# Altium PCB 400150.PcbDoc (part 1 of 3) (continued)
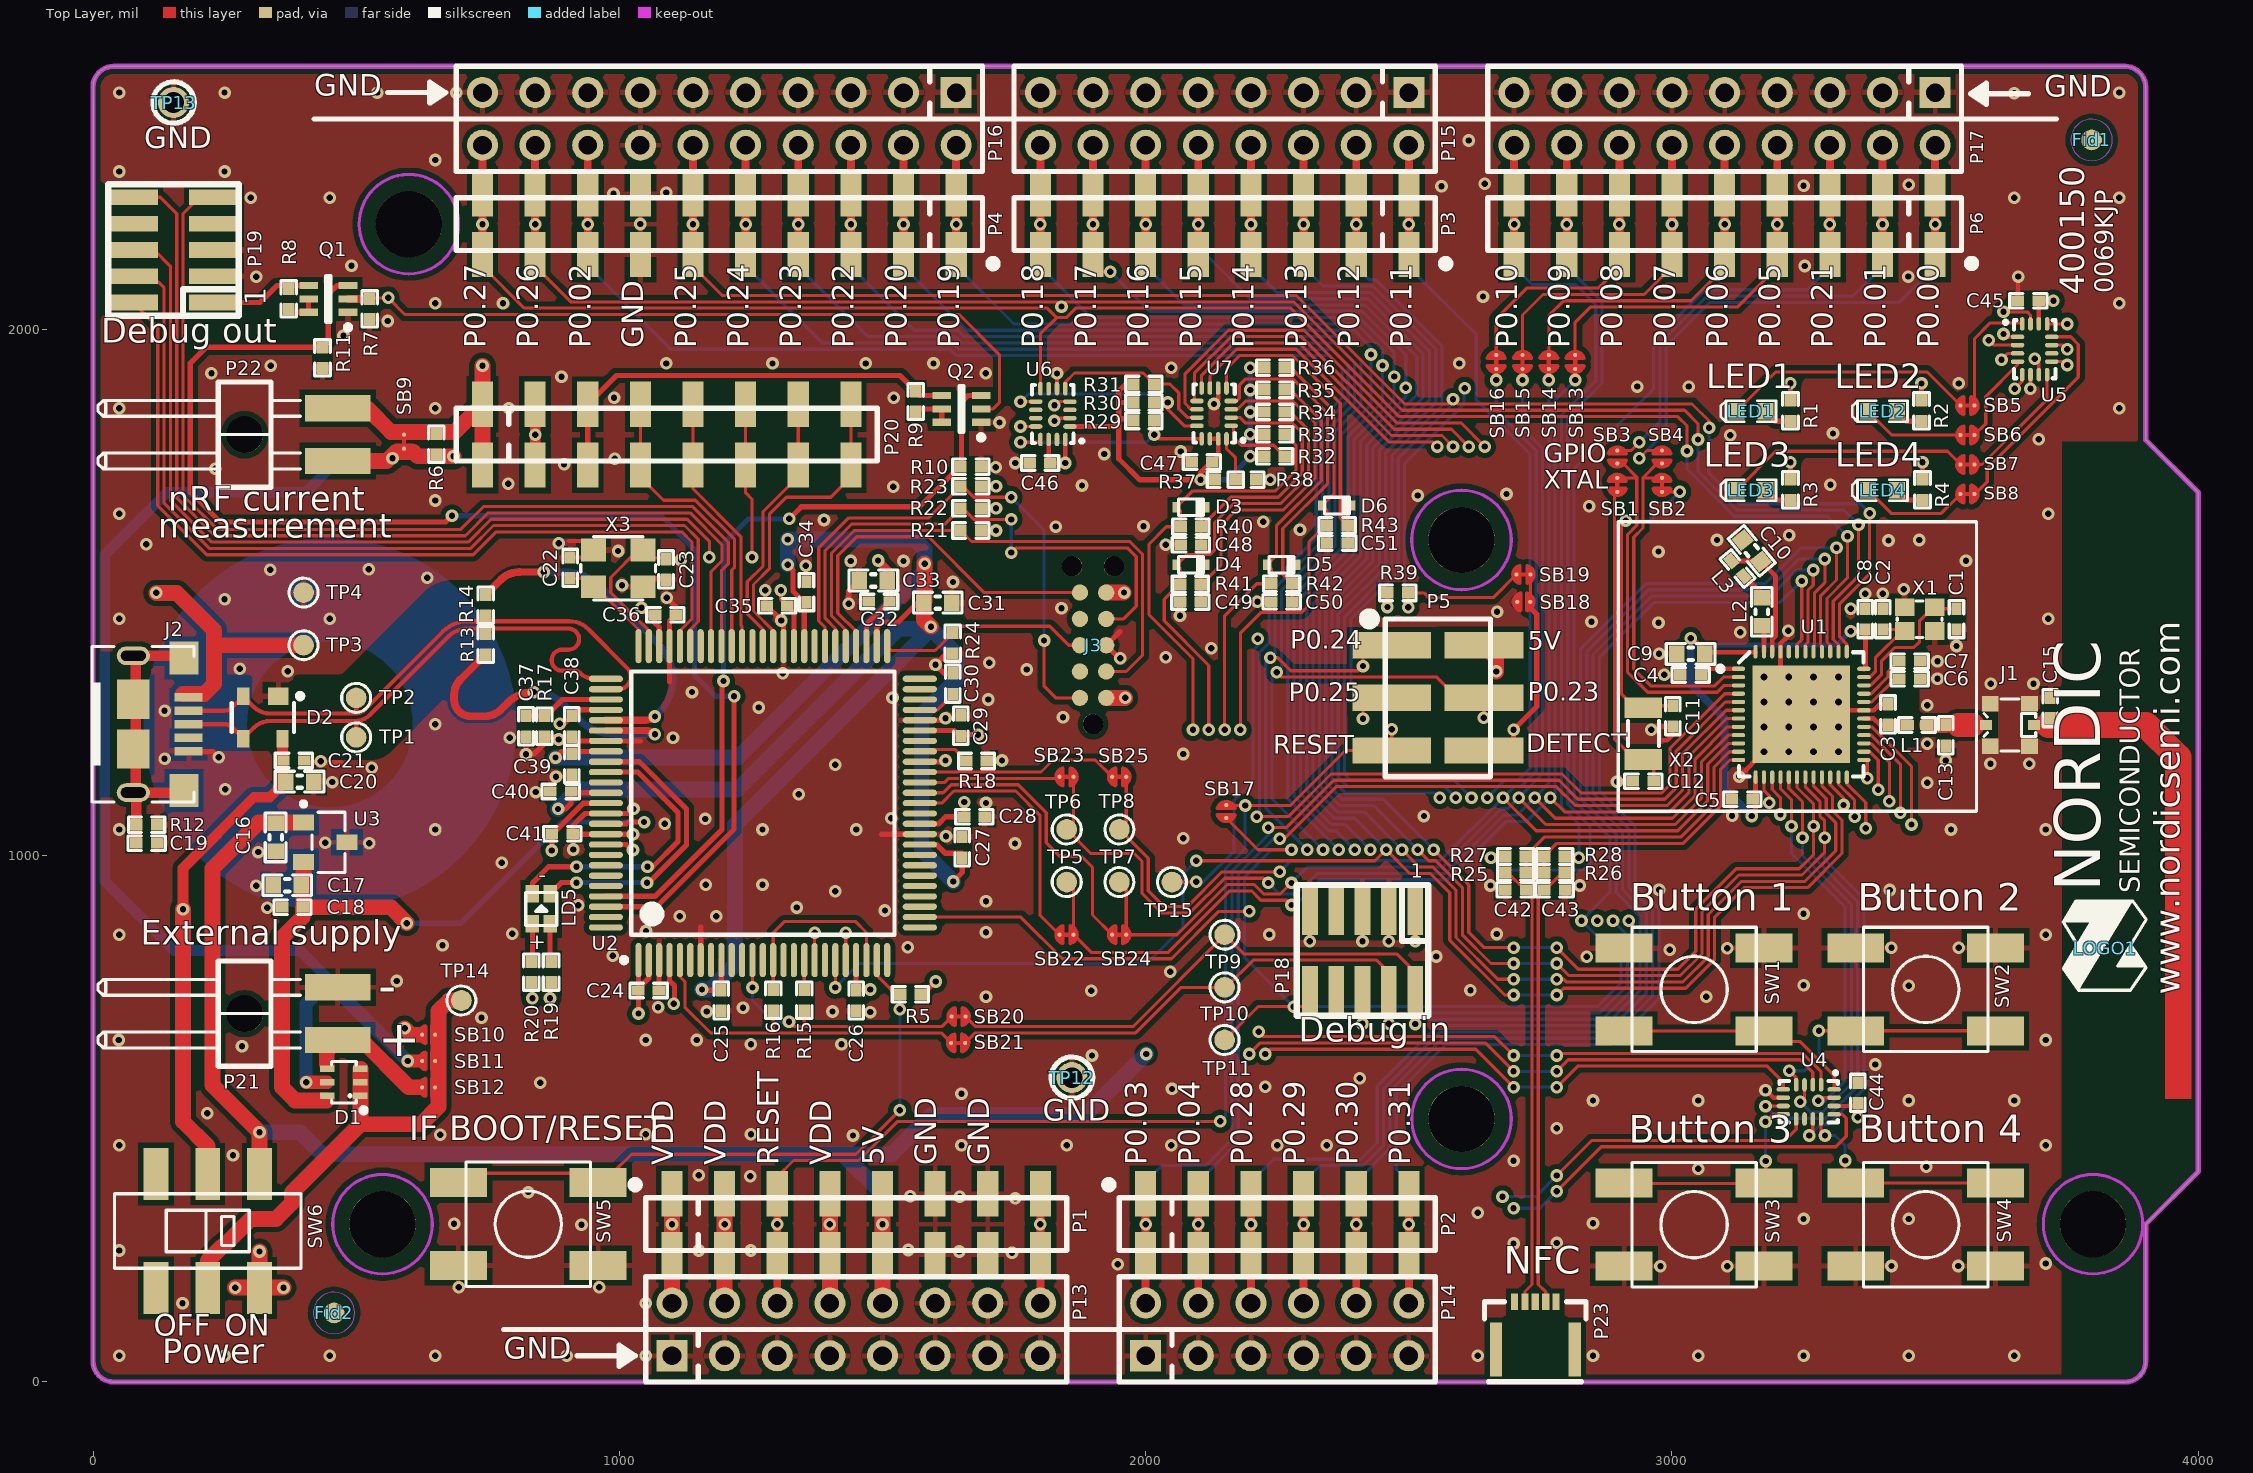
[diagram p0: Top Layer view]
## Components (designator, comment, footprint, x,y, rotation, side; value= is the part's Value field where it differs from the comment)
Bat1 "Bat Holder CR2032" CR2032_HOLDER_SMD 450,1249 r270 bottom
C1 "12pF" CAPC1005X04L 3540.46,1449.17 r270 top (schematic designator C7)
C2 "12pF" CAPC1005X04L 3400.47,1449.16 r90 top
C3 "0.8pF" CAPC1005X04L 3410.47,1268.16 r270 top (schematic designator C20)
C4 "100nF" CAPC1005X04L 3035.47,1343.16 r180 top (schematic designator C5)
C5 "100nF" CAPC1005X04L 3133.47,1107.16 r180 top (schematic designator C6)
C6 "N.C." CAPC1005X04L 3451.47,1336.16 r0 top (schematic designator C8)
C7 "100pF" CAPC1005X04L 3451.47,1369.16 r0 top (schematic designator C11)
C8 "100nF" CAPC1005X04L 3367.47,1449.16 r90 top (schematic designator C12)
C9 "4.7µF" CAPC1608X06L 3035.47,1383.16 r180 top
C10 "1.0µF" CAPC1608X06L 3151.5,1579.16 r310 top (schematic designator C7)
C11 "12pF" CAPC1005X04L 3001.61,1264.85 r90 top
C12 "12pF" CAPC1005X04L 2945.61,1140.85 r0 top
C13 "N.C." CAPC1005X04L 3520,1228.6 r270 top
C15 "1.2pF" CAPC1005X04L 3718.88,1280.16 r90 top
C16 "1.0µF" CAPC1608X06L 347,1034.6 r90 top
C17 "1.0µF" CAPC1608X06L 369,943.6 r0 top
C18 "100nF" CAPC1005X04L 379,901.6 r0 top
C19 "100nF" CAPC1005X04L 101.85,1023.6 r180 top
C20 "10µF" CAPC1608X06L 392.61,1140.6 r180 top
C21 "100nF" CAPC1005X04L 381.61,1180.6 r180 top
C22 "18pF" CAPC1005X04L 906.61,1546.6 r90 top
C23 "18pF" CAPC1005X04L 1088.61,1543.6 r270 top
C24 "100nF" CAPC1005X04L 1055.61,743.6 r180 top
C25 "100nF" CAPC1005X04L 1193.61,724.6 r90 top
C26 "100nF" CAPC1005X04L 1450,724.6 r90 top
C27 "100nF" CAPC1005X04L 1651.61,1015.6 r270 top
C28 "100nF" CAPC1005X04L 1674.61,1073.6 r180 top
C29 "100nF" CAPC1005X04L 1648.61,1246.6 r270 top
C30 "10nF" CAPC1005X04L 1633.61,1326.6 r270 top
C31 "10µF" CAPC1608X06L 1605,1480.6 r180 top
C32 "100nF" CAPC1005X04L 1493.61,1482.6 r0 top
C33 "10µF" CAPC1608X06L 1482.61,1522.6 r0 top
C34 "100nF" CAPC1005X04L 1355.61,1500.6 r270 top
C35 "100nF" CAPC1005X04L 1299.61,1474.6 r0 top
C36 "100nF" CAPC1005X04L 1087.61,1457.6 r0 top
C37 "10pF" CAPC1005X04L 822.61,1245.6 r90 top
C38 "100nF" CAPC1005X04L 909.61,1245.6 r90 top
C39 "100nF" CAPC1005X04L 909.61,1173.6 r90 top
C40 "100nF" CAPC1005X04L 888.61,1121.6 r0 top
C41 "100nF" CAPC1005X04L 891.61,1041.6 r180 top
C42 "300pF" CAPC1005X04L 2703,935 r180 top
C43 "300pF" CAPC1005X04L 2777,935 r180 top
C44 "100nF" CAPC1005X04L 3352.67,549 r270 top
C45 "100nF" CAPC1005X04L 3677,2054 r0 top
C46 "100nF" CAPC1005X04L 1799.31,1745.78 r0 top
C47 "100nF" CAPC1005X04L 2106.99,1747.78 r0 top
C48 "1.0µF" CAPC1005X04L 2085.99,1590.78 r180 top
C49 "1.0µF" CAPC1005X04L 2085.08,1481.78 r0 top
C50 "1.0µF" CAPC1005X04L 2258.31,1482.47 r0 top
C51 "1.0µF" CAPC1005X04L 2364.08,1593.7 r180 top
D1 "SD103ATW-7-F" SOT-363 508,543.6 r90 top
D2 "PRTR5V0U2X" SOT190P230X110-4L 322.61,1262.6 r270 top
D3 "1PS79SB30.115" SOD-523 2086.22,1661.78 r180 top
D4 "1PS79SB30.115" SOD-523 2086.31,1552.78 r180 top
D5 "1PS79SB30.115" SOD-523 2258.31,1552.78 r180 top
D6 "1PS79SB30.115" SOD-523 2363.31,1665 r180 top
Fid1 "Fiducial mark" Fiducial 3797.28,2359.6 r180 top
Fid2 "Fiducial mark" Fiducial 458,131 r0 top
J1 "MM8130-2600" COAXIAL-SWF 3641.88,1248.16 r90 top
J2 "MicroUSB-B" FCI_10118193-0001LF 181.85,1249.6 r0 top
J3 "TC2050-IDC" TC2050-IDC-NLFP 1900,1399.6 r90 top
L1 "3.9nH" INDC1005X04L 3465.47,1248.16 r0 top (schematic designator L2)
L2 "10µH" INDC1608X06L 3170.47,1463.16 r270 top (schematic designator L4)
L3 "15nH" INDC1005X04L 3124.5,1545.16 r310 top (schematic designator L5)
LD5 "LTST-C195KGJRKT" LED_DUAL_0606 851.61,898.6 r180 top (schematic designator LD3)
LED1 "L0603G" LED_0603_G 3150,1844 r0 top
LED2 "L0603G" LED_0603_G 3400,1844 r0 top
LED3 "L0603G" LED_0603_G 3150,1694 r0 top
LED4 "L0603G" LED_0603_G 3400,1694 r0 top
LOGO1 "Nordic Logo M" NORDIC_LOGO_M 3822.92,823.93 r90 top
P1 "Socket 1x8" SOCKET_1x8_SMD 1100,299.6 r0 top locked (schematic designator P11)
P2 "Socket 1x6" SOCKET_1x6_SMD 2000,299.6 r0 top locked (schematic designator P12)
P3 "Socket 1x8" SOCKET_1x8_SMD 2500,2199.6 r180 top locked (schematic designator P8)
P4 "Socket 1x10" SOCKET_1x10_SMD 1640,2199.6 r180 top locked (schematic designator P9)
P5 "Pin Hdr 2x3" "Molex 15-91-2060" 2555,1299.6 r270 top locked (schematic designator P6)
P6 "Socket 1x9" SOCKET_1x9_SMD 3500,2199.6 r180 top locked
P7 "Pin List 1x8" LIST_1x8_SMD 1100,299.6 r0 bottom locked (schematic designator POWER)
P8 "Pin List 1x6" LIST_1x6_SMD 2000,299.6 r0 bottom locked (schematic designator AD)
P9 "Pin List 1x8" LIST_1x8_SMD 2500,2199.6 r180 bottom locked (schematic designator IOL)
P10 "Pin List 1x10" LIST_1x10_SMD 1640,2199.6 r180 bottom locked (schematic designator IOH)
P11 "Socket 2x3" SOCKET_2x3_SMD-2.54mm-bottom 2555,1299.6 r270 top locked (schematic designator ICSP)
P12 "Pin List 1x9" LIST_1x9_SMD 3500,2199.6 r180 bottom locked
P13 "Pin Header 2x8" HDR_2x8 1450,99.6 r0 top locked
P14 "Pin Header 2x6" HDR_2x6 2250,99.6 r0 top locked
P15 "Pin Header 2x8" HDR_2x8 2150,2399.6 r180 top locked
P16 "Pin Header 2x10" HDR_2x10 1190,2399.6 r180 top locked
P17 "Pin Header 2x9" HDR_2x9 3100,2399.6 r180 top
P18 "FTSH-105" FTSH-105-K 2412,819.78 r180 top
P19 "FTSH-105" FTSH-105-K 153,2150.6 r90 top locked
P20 "Pin List 1x8" LIST_1x8_SMD 740,1799.6 r0 top
P21 "Pin List 1x2, Angled" LIST_ANG_1x2-SMD-2.54MM 465,699.6 r270 top
P22 "Pin List 1x2, Angled" LIST_ANG_1x2-SMD-2.54MM 465,1799.6 r270 top
P23 "Molex 051281-0594" "Molex 051281-0594" 2701,152 r0 top
Q1 "FDG6321C" SOT65P210X100-6N 447,2057.6 r180 top
Q2 "FDG6321C" SOT65P210X100-6N 1650,1848.6 r180 top
R1 "220R" RESC1005X04L 3225.01,1845 r90 top
R2 "220R" RESC1005X04L 3474.01,1845 r90 top
R3 "220R" RESC1005X04L 3225.01,1695 r90 top
R4 "220R" RESC1005X04L 3476.01,1695 r90 top
R5 "10k" RESC1005X04L 1553,736.6 r0 top
R6 "N.C." RESC1005X04L 652,1781.6 r90 top
R7 "47k" RESC1005X04L 526,2038.6 r270 top
R8 "10k" RESC1005X04L 372,2057.6 r270 top
R9 "10k" RESC1005X04L 1563,1862.6 r270 top
R10 "10k" RESC1005X04L 1667.85,1738.6 r180 top
R11 "10k" RESC1005X04L 436,1945.6 r90 top
R12 "10k" RESC1005X04L 101.85,1058.6 r180 top
R13 "39R" RESC1005X04L 746.02,1401.3 r90 top
R14 "39R" RESC1005X04L 746.02,1475.54 r270 top
R15 "150R" RESC1005X04L 1351.35,725 r270 top
R16 "150R" RESC1005X04L 1292.35,725 r270 top
R17 "6k8" RESC1005X04L 857.61,1245.6 r90 top
R18 "1k" RESC1005X04L 1678.61,1179.6 r180 top
R19 "220R" RESC1005X04L 870.34,778.6 r270 top
R20 "220R" RESC1005X04L 832.88,778.6 r270 top
R21 "4k7" RESC1005X04L 1667.85,1617.6 r0 top
R22 "4k7" RESC1005X04L 1667.85,1659.6 r0 top
R23 "4k7" RESC1005X04L 1667.85,1701.6 r0 top
R24 "4k7" RESC1005X04L 1633.61,1403.6 r270 top
R25 "0R" RESC1005X04L 2702.85,968.6 r0 top
R26 "0R" RESC1005X04L 2776.85,968.6 r180 top
R27 "N.C." RESC1005X04L 2702.85,998.6 r0 top
R28 "N.C." RESC1005X04L 2776.85,998.6 r180 top
R29 "4k7" RESC1005X04L 1996.62,1825.78 r180 top
R30 "4k7" RESC1005X04L 1996.62,1860.78 r180 top
R31 "12k" RESC1005X04L 1996.62,1895.78 r180 top
R32 "12k" RESC1005X04L 2244.94,1758.63 r180 top
R33 "100k" RESC1005X04L 2244.94,1800.63 r180 top
R34 "100k" RESC1005X04L 2244.94,1842.63 r180 top
R35 "100k" RESC1005X04L 2244.94,1884.63 r180 top
R36 "100k" RESC1005X04L 2244.94,1926.63 r180 top
R37 "N.C." RESC1005X04L 2151.31,1713.78 r180 top
R38 "0R" RESC1005X04L 2190.68,1713.78 r180 top
R39 "1M0" RESC1005X04L 2479,1499 r180 top
R40 "18k" RESC1005X04L 2085.99,1624.78 r180 top
R41 "18k" RESC1005X04L 2085.08,1515.78 r180 top
R42 "18k" RESC1005X04L 2258.31,1516.47 r180 top
R43 "18k" RESC1005X04L 2364.08,1627.7 r180 top
SB1 "Solderbridge" Solderbridge_Shorted 2896,1691 r90 top net-tie
SB2 "Solderbridge" Solderbridge_Shorted 2981,1691 r90 top net-tie
SB3 "Solderbridge" Solderbridge#1 2896,1745 r90 top
SB4 "Solderbridge" Solderbridge#1 2981,1745 r90 top
SB5 "Solderbridge" Solderbridge_Shorted 3574.5,1855 r180 top net-tie (schematic designator SB6)
SB6 "Solderbridge" Solderbridge_Shorted 3574.5,1799 r180 top net-tie
SB7 "Solderbridge" Solderbridge_Shorted 3574.5,1743 r180 top net-tie
SB8 "Solderbridge" Solderbridge_Shorted 3574.5,1687 r180 top net-tie
SB9 "Solderbridge" Solderbridge_Shorted 591,1799.6 r270 top net-tie
SB10 "Solderbridge" Solderbridge#1 650,659.6 r180 top
SB11 "Solderbridge" Solderbridge#1 650,609.6 r180 top
SB12 "Solderbridge" Solderbridge#1 650,559.6 r180 top
SB13 "Solderbridge" Solderbridge_Shorted 2816,1951 r270 top net-tie
SB14 "Solderbridge" Solderbridge_Shorted 2766,1951 r270 top net-tie
SB15 "Solderbridge" Solderbridge_Shorted 2716,1951 r270 top net-tie
SB16 "Solderbridge" Solderbridge_Shorted 2666,1951 r270 top net-tie
SB17 "Solderbridge" Solderbridge#2 2153,1096 r270 top
SB18 "Solderbridge" Solderbridge#2 2706,1482 r0 top
SB19 "Solderbridge" Solderbridge_Shorted 2731,1534 r180 top net-tie
SB20 "Solderbridge" Solderbridge_Shorted 1658.02,694 r180 top net-tie
SB21 "Solderbridge" Solderbridge_Shorted 1657.02,644 r180 top net-tie
SB22 "Solderbridge" Solderbridge_Shorted 1863,849.6 r180 top net-tie
SB23 "Solderbridge" Solderbridge_Shorted 1863,1149.6 r180 top net-tie
SB24 "Solderbridge" Solderbridge_Shorted 1963,849.6 r180 top net-tie
SB25 "Solderbridge" Solderbridge_Shorted 1963,1149.6 r180 top net-tie
SW1 "PB SW" ALPS_SKHUxxx010_WO_GND 3042,745.66 r180 top
SW2 "PB SW" ALPS_SKHUxxx010_WO_GND 3482,745.66 r180 top
SW3 "PB SW" ALPS_SKHUxxx010_WO_GND 3042,298.66 r0 top
SW4 "PB SW" ALPS_SKHUxxx010_WO_GND 3482,298.66 r0 top
SW5 "PB SW" ALPS_SKHUxxx010_WO_GND 827,299.6 r0 top
SW6 "Switch" JS202011SCQN 218,286.6 r0 top
TP1 "Ø1.0mm,SMD" TP_SMD_Ø1.0mm 500,1224.6 r0 top
TP2 "Ø1.0mm,SMD" TP_SMD_Ø1.0mm 500,1299.6 r0 top
TP3 "Ø1.0mm,SMD" TP_SMD_Ø1.0mm 400,1399.6 r0 top
TP4 "Ø1.0mm,SMD" TP_SMD_Ø1.0mm 400,1499.6 r0 top
TP5 "Ø1.0mm,SMD" TP_SMD_Ø1.0mm 1850,949.6 r0 top
TP6 "Ø1.0mm,SMD" TP_SMD_Ø1.0mm 1850,1049.6 r0 top
TP7 "Ø1.0mm,SMD" TP_SMD_Ø1.0mm 1950,949.6 r0 top
TP8 "Ø1.0mm,SMD" TP_SMD_Ø1.0mm 1950,1049.6 r0 top
TP9 "Ø1.0mm,SMD" TP_SMD_Ø1.0mm 2150,849.6 r0 top
TP10 "Ø1.0mm,SMD" TP_SMD_Ø1.0mm 2150,749.6 r0 top
TP11 "Ø1.0mm,SMD" TP_SMD_Ø1.0mm 2150,649.6 r90 top
TP12 "TP" TESTPAD-TH 1860,578 r0 top
TP13 "TP" TESTPAD-TH 153,2430.6 r0 top
TP14 "Ø1.0mm,SMD" TP_SMD_Ø1.0mm 700,724.6 r270 top
TP15 "Ø1.0mm,SMD" TP_SMD_Ø1.0mm 2050,949.6 r90 top
U1 "nRF52832-QFAA" QFN40P600X600X90-48N 3245.47,1268.16 r0 top
U2 "ATSAM3U2CA-AU" TSQFP50P1600X1600X160-100N 1272.61,1099.6 r90 top locked
U3 "AP7333-33SAG-7" SOT-23A 400,1062.6 r270 top
U4 "NX3DV2567" XQFN40P180X260X50-16N 3259.67,532 r270 top
U5 "NX3DV2567" XQFN40P180X260X50-16N 3689,1962 r0 top
U6 "NX3DV2567" XQFN40P180X260X50-16N 1823.62,1838.78 r180 top
U7 "PCAL6408A" XQFN40P180X260X50-16N 2129.94,1840 r180 top
X1 "32MHz" BT-XTAL_2016 3470.46,1449.17 r180 top
X2 "32.768kHz" XTAL_3215 2945.61,1231.85 r270 top
X3 "12MHz" BT-XTAL_3225 997.61,1545.6 r180 top

## Footprints (in the part's own frame and the unit in brackets; to place one, negate y for a bottom-side part, rotate by r counter-clockwise, add the part's x,y. Pads: shape width x height; smd on the part's side, far side on the other; paste and mask are expansions set on the pad)
ALPS_SKHUxxx010_WO_GND [mm] "6.2×6.5mm TACT Switch, without ground connector"
  rect 2.75x1.4 smd: 1(-3.375,2) 1(3.375,2) 2(-3.375,-2) 2(3.375,-2)
  silkscreen extent -3,-3 3,3, body extent -4,-3 4,3.3, height 3.1
BT-XTAL_2016 [mm] "Crystal 2.0 x 1.6 mm"
  rect 0.95x0.85 smd: 1(-0.725,-0.575) 2(0.725,-0.575) 3(0.725,0.575) 4(-0.725,0.575)
  silkscreen extent -1.08,-0.88 1.08,0.88, body extent -1.05,-0.85 1.05,0.85, height 0.56
BT-XTAL_3225 [mm] "Mercury X32 series"
  rect 1.2x1.1 smd: 1(-1.194,-0.89) 2(1.194,-0.89) 3(1.194,0.891) 4(-1.194,0.891)
  silkscreen extent -1.8,-1.52 1.8,1.52, body extent -1.6,-1.25 1.61,1.25, height 0.81
CAPC1005X04L [mm] "Chip Capacitor, 2-Leads, Body 1.0x0.5mm, IPC High Density"
  rect 0.6x0.5 smd: 1(-0.5,0) 2(0.5,0)
  silkscreen extent -0.9,-0.35 0.9,0.35, body extent -0.51,-0.25 0.51,0.25, height 0.5
CAPC1608X06L [mm] "Chip Capacitor, 2-Leads, Body 1.6x0.8mm, IPC High Density"
  rect 0.75x0.8 smd: 1(-0.675,0) 2(0.675,0)
  silkscreen extent -1.17,-0.5 1.17,0.5, body extent -0.8,-0.43 0.8,0.43, height 0.8
COAXIAL-SWF [mm]
  rect 0.5x0.58 smd: 1(0,1.16) 3(0,-1.16)
  rect 0.75x0.8 smd: 2(-1.025,-0.95) 2(-1.025,0.95) 2(1.025,-0.95) 2(1.025,0.95)
  Top Layer pour cut-out: -0.65,0.55 0.65,0.55 0.65,1.35 -0.65,1.35
  Top Layer pour cut-out: 0.65,-0.55 -0.65,-0.55 -0.65,-1.35 0.65,-1.35
  silkscreen extent -1.25,-1.25 1.25,1.25
CR2032_HOLDER_SMD [mm] "CR2032 - SMD mount coin cell bat holder"
  round 18 on Bottom Solder paste+0: 0(0,0)
  rect 5.08x5.08 smd: 1(-13.081,0) 1(13.081,0)
  rrect50% 10x10 smd paste-9: 2(0,0)
  Top Layer circle w5: c0,0 r6.5
  silkscreen extent -10.54,-9.53 10.54,11.43, body extent -15.37,-10.27 15.37,9.78, height 3.96
FCI_10118193-0001LF [mm] "Micro USB B SMT"
  rect 1.35x0.4 smd: 1(0,1.3) 2(0,0.65) 3(0,0) 4(0,-0.65) 5(0,-1.3)
  oval 1.6x0.9 hole 0.5 slot 1.2 at 0 deg: 6(-2.675,-3.3) 6(-2.675,3.3)
  oval 2x1.5 on Top Paste: 6(-2.675,-3.3) 6(-2.675,3.3)
  rect 1.55x1.9 smd: 6(-2.675,-1.2) 6(-2.675,1.2)
  rect 1.4x1.6 smd: 6(-0.225,-3.2) 6(-0.225,3.2)
  silkscreen extent -4.75,-3.75 0.25,3.75, body extent -5.28,-4.1 0.15,4.1, height 2.72
Fiducial [mm] "Fiducial Mark"
  round 1 smd paste-10 mask+0.5: 0(0,0)
  round 1 smd far side paste-10 mask+0.5: 0(0,0)
  Keep-Out Layer circle w0.01: c0,0 r1
FTSH-105-K [mm] "SMT MICRO HEADER, (1,27) .050\" Keying Shroud"
  rect 0.76x2.4 smd: 1(-2.54,-1.95) 2(-2.54,1.95) 3(-1.27,-1.95) 4(-1.27,1.95) 5(0,-1.95) 6(0,1.95) 7(1.27,-1.95) 8(1.27,1.95) 9(2.54,-1.95) 10(2.54,1.95)
  silkscreen extent -3.18,-3.15 3.18,3.15, body extent -3.14,-2.92 3.14,2.92, height 5.71
HDR_2x6 [mm] "Pin Header, 2.54mm through hole"
  rect 1.5x1.5 hole 0.9: 1(-6.35,-1.27)
  round 1.5 hole 0.9: 2(-6.35,1.27) 3(-3.81,-1.27) 4(-3.81,1.27) 5(-1.27,-1.27) 6(-1.27,1.27) 7(1.27,-1.27) 8(1.27,1.27) 9(3.81,-1.27) 10(3.81,1.27) 11(6.35,-1.27) 12(6.35,1.27)
  silkscreen extent -7.62,-2.54 7.62,2.54
HDR_2x8 [mm] "Pin Header, 2.54mm through hole"
  rect 1.5x1.5 hole 0.9: 1(-8.89,-1.27)
  round 1.5 hole 0.9: 2(-8.89,1.27) 3(-6.35,-1.27) 4(-6.35,1.27) 5(-3.81,-1.27) 6(-3.81,1.27) 7(-1.27,-1.27) 8(-1.27,1.27) 9(1.27,-1.27) 10(1.27,1.27) 11(3.81,-1.27) 12(3.81,1.27) 13(6.35,-1.27) 14(6.35,1.27) 15(8.89,-1.27) 16(8.89,1.27)
  silkscreen extent -10.16,-2.54 10.16,2.54
HDR_2x9 [mm] "Pin Header, 2.54mm through hole"
  rect 1.5x1.5 hole 0.9: 1(-10.16,-1.27)
  round 1.5 hole 0.9: 2(-10.16,1.27) 3(-7.62,-1.27) 4(-7.62,1.27) 5(-5.08,-1.27) 6(-5.08,1.27) 7(-2.54,-1.27) 8(-2.54,1.27) 9(0,-1.27) 10(0,1.27) 11(2.54,-1.27) 12(2.54,1.27) 13(5.08,-1.27) 14(5.08,1.27) 15(7.62,-1.27) 16(7.62,1.27) 17(10.16,-1.27) 18(10.16,1.27)
  silkscreen extent -11.43,-2.54 11.43,2.54
HDR_2x10 [mm] "Pin Header, 2.54mm through hole"
  rect 1.5x1.5 hole 0.9: 1(-11.43,-1.27)
  round 1.5 hole 0.9: 2(-11.43,1.27) 3(-8.89,-1.27) 4(-8.89,1.27) 5(-6.35,-1.27) 6(-6.35,1.27) 7(-3.81,-1.27) 8(-3.81,1.27) 9(-1.27,-1.27) 10(-1.27,1.27) 11(1.27,-1.27) 12(1.27,1.27) 13(3.81,-1.27) 14(3.81,1.27) 15(6.35,-1.27) 16(6.35,1.27) 17(8.89,-1.27) 18(8.89,1.27) 19(11.43,-1.27) 20(11.43,1.27)
  silkscreen extent -12.7,-2.54 12.7,2.54
INDC1005X04L [mm] "Chip Inductor, 2-Leads, Body 1.0x0.5mm, IPC High Density"
  rect 0.65x0.5 smd: 1(-0.475,0) 2(0.475,0)
  silkscreen extent -0.9,-0.35 0.9,0.35, body extent -0.5,-0.3 0.5,0.3, height 0.5
INDC1608X06L [mm] "Chip Inductor, 2-Leads, Body 1.6x0.8mm, IPC High Density"
  rect 0.75x0.8 smd: 1(-0.675,0) 2(0.675,0)
  silkscreen extent -1.17,-0.5 1.17,0.5, body extent -0.8,-0.48 0.8,0.48, height 0.8
JS202011SCQN [mm] "Slide Switches - DPDT, SMD, ON-ON"
  rect 1.2x2.5 smd: 1(-2.5,-2.75) 2(0,-2.75) 3(2.5,-2.75) 4(-2.5,2.75) 5(0,2.75) 6(2.5,2.75)
  silkscreen extent -4.5,-1.8 4.5,1.8, body extent -4.52,-3.75 4.52,3.75, height 5.5
LED_0603_G [mil] "SMD Super Bright LED, GREEN"
  rect 30x32 smd: 1(-27.5,0) 2(27.5,0)
  silkscreen extent -58,-20 48,20, body extent -32,-16 32,16, height 24
LED_DUAL_0606 [mm]
  rect 0.65x0.85 smd paste+0: 1(0.425,0.725) 2(-0.425,0.725) 3(0.425,-0.725) 4(-0.425,-0.725)
  silkscreen extent -0.75,-0.8 0.75,0.8, body extent -0.75,-0.8 0.75,0.8, height 0.55
LIST_1x6_SMD [mm] "Pin List, 2.54mm, SMD"
  rect 1.02x2.19 smd: 1(0,-1.465) 1(0,1.465) 2(2.54,-1.465) 2(2.54,1.465) 3(5.08,-1.465) 3(5.08,1.465) 4(7.62,-1.465) 4(7.62,1.465) 5(10.16,-1.465) 5(10.16,1.465) 6(12.7,-1.465) 6(12.7,1.465)
  silkscreen extent -1.27,-1.27 13.97,1.27
LIST_1x8_SMD [mm] "Pin List, 2.54mm, SMD"
  rect 1.02x2.19 smd: 1(0,-1.465) 1(0,1.465) 2(2.54,-1.465) 2(2.54,1.465) 3(5.08,-1.465) 3(5.08,1.465) 4(7.62,-1.465) 4(7.62,1.465) 5(10.16,-1.465) 5(10.16,1.465) 6(12.7,-1.465) 6(12.7,1.465) 7(15.24,-1.465) 7(15.24,1.465) 8(17.78,-1.465) 8(17.78,1.465)
  silkscreen extent -1.27,-1.27 19.05,1.27
LIST_1x9_SMD [mm] "Pin List, 2.54mm, SMD"
  rect 1.02x2.19 smd: 1(0,-1.465) 1(0,1.465) 2(2.54,-1.465) 2(2.54,1.465) 3(5.08,-1.465) 3(5.08,1.465) 4(7.62,-1.465) 4(7.62,1.465) 5(10.16,-1.465) 5(10.16,1.465) 6(12.7,-1.465) 6(12.7,1.465) 7(15.24,-1.465) 7(15.24,1.465) 8(17.78,-1.465) 8(17.78,1.465) 9(20.32,-1.465) 9(20.32,1.465)
  silkscreen extent -1.27,-1.27 21.59,1.27
LIST_1x10_SMD [mm] "Pin List, 2.54mm, SMD"
  rect 1.02x2.19 smd: 1(0,-1.465) 1(0,1.465) 2(2.54,-1.465) 2(2.54,1.465) 3(5.08,-1.465) 3(5.08,1.465) 4(7.62,-1.465) 4(7.62,1.465) 5(10.16,-1.465) 5(10.16,1.465) 6(12.7,-1.465) 6(12.7,1.465) 7(15.24,-1.465) 7(15.24,1.465) 8(17.78,-1.465) 8(17.78,1.465) 9(20.32,-1.465) 9(20.32,1.465) 10(22.86,-1.465) 10(22.86,1.465)
  silkscreen extent -1.27,-1.27 24.13,1.27
LIST_ANG_1x2-SMD-2.54MM [mm] "Pin List, 2.54mm, Surface Mount, Angled"
  round 1.78 hole 1.78: 0(0,-4.496)
  rect 1.27x3.18 smd: 1(-1.27,0) 2(1.27,0)
  silkscreen extent -2.54,-11.58 2.54,-1.8, body extent -2.56,-11.61 2.52,1.35, height 3.03
"Molex 15-91-2060" [mil] "MOLEX - 15-91-2060 - BOARD-BOARD CONN, HEADER, 6WAY, 2ROW"
  rect 50x150 smd: 1(-100,-87.5) 2(-100,87.5) 3(0,-87.5) 4(0,87.5) 5(100,-87.5) 6(100,87.5)
  silkscreen extent -160,-140 150,100, body extent -150,-148 150,148, height 382
"Molex 051281-0594" [mm] "SOT23, 5-Leads, Body 2,90x2,80mm, Pitch 0,95mm, IPC Medium Density"
  rect 0.6x2.6 smd: 0(-0.9,-2.3) 0(2.9,-2.3)
  rect 0.35x0.8 smd: 1(0,0) 2(0.5,0) 3(1,0) 4(1.5,0) 5(2,0)
  silkscreen extent -1.45,-3.85 3.45,0, body extent -1.45,-3.85 3.45,0, height 2.05
NORDIC_LOGO_M [mil] "Medium Nordic Logo"
  silkscreen extent -80,-78 90,80
QFN40P600X600X90-48N [mm] "QFN, 48-Leads, Body 6,0x6,0mm (max), Pitch 0,40mm, IPC Medium Density"
  oval 0.65x0.2 smd: 1(-3.025,2.2) 2(-3.025,1.8) 3(-3.025,1.4) 4(-3.025,1) 5(-3.025,0.6) 6(-3.025,0.2) 7(-3.025,-0.2) 8(-3.025,-0.6) 9(-3.025,-1) 10(-3.025,-1.4) 11(-3.025,-1.8) 12(-3.025,-2.2) 25(3.025,-2.2) 26(3.025,-1.8) 27(3.025,-1.4) 28(3.025,-1) 29(3.025,-0.6) 30(3.025,-0.2) 31(3.025,0.2) 32(3.025,0.6) 33(3.025,1) 34(3.025,1.4) 35(3.025,1.8) 36(3.025,2.2)
  oval 0.2x0.65 smd: 13(-2.2,-3.025) 14(-1.8,-3.025) 15(-1.4,-3.025) 16(-1,-3.025) 17(-0.6,-3.025) 18(-0.2,-3.025) 19(0.2,-3.025) 20(0.6,-3.025) 21(1,-3.025) 22(1.4,-3.025) 23(1.8,-3.025) 24(2.2,-3.025) 37(2.2,3.025) 38(1.8,3.025) 39(1.4,3.025) 40(1,3.025) 41(0.6,3.025) 42(0.2,3.025) 43(-0.2,3.025) 44(-0.6,3.025) 45(-1,3.025) 46(-1.4,3.025) 47(-1.8,3.025) 48(-2.2,3.025)
  rect 4.7x4.7 smd: 49(0,0)
  silkscreen extent -4.02,-3 3,3, body extent -3.02,-3.02 3.02,3.02, height 0.86
RESC1005X04L [mm] "Chip Resistor, 2-Leads, Body 1.0x0.5mm, IPC High Density"
  rect 0.6x0.55 smd: 1(-0.5,0) 2(0.5,0)
  silkscreen extent -0.88,-0.38 0.87,0.37, body extent -0.5,-0.25 0.5,0.25, height 0.3
SOCKET_1x6_SMD [mm] "Socket, 2.54mm, SMD"
  rect 1.02x2.19 smd: 1(0,-1.465) 1(0,1.465) 2(2.54,-1.465) 2(2.54,1.465) 3(5.08,-1.465) 3(5.08,1.465) 4(7.62,-1.465) 4(7.62,1.465) 5(10.16,-1.465) 5(10.16,1.465) 6(12.7,1.465) 6(12.7,-1.465)
  silkscreen extent -1.27,-1.27 13.97,1.27, body extent -1.27,-2.29 13.97,2.29, height 7.47
SOCKET_1x8_SMD [mm] "Socket, 2.54mm, SMD"
  rect 1.02x2.19 smd: 1(0,-1.465) 1(0,1.465) 2(2.54,-1.465) 2(2.54,1.465) 3(5.08,-1.465) 3(5.08,1.465) 4(7.62,-1.465) 4(7.62,1.465) 5(10.16,-1.465) 5(10.16,1.465) 6(12.7,1.465) 6(12.7,-1.465) 7(15.24,-1.465) 7(15.24,1.465) 8(17.78,-1.465) 8(17.78,1.465)
  silkscreen extent -1.27,-1.27 19.05,1.27, body extent -1.27,-2.29 19.05,2.29, height 7.47
SOCKET_1x9_SMD [mm] "Socket, 2.54mm, SMD"
  rect 1.02x2.19 smd: 1(0,1.465) 1(0,-1.465) 2(2.54,-1.465) 2(2.54,1.465) 3(5.08,-1.465) 3(5.08,1.465) 4(7.62,-1.465) 4(7.62,1.465) 5(10.16,-1.465) 5(10.16,1.465) 6(12.7,1.465) 6(12.7,-1.465) 7(15.24,-1.465) 7(15.24,1.465) 8(17.78,-1.465) 8(17.78,1.465) 9(20.32,-1.465) 9(20.32,1.465)
  silkscreen extent -1.27,-1.27 21.59,1.27, body extent -1.26,-2.3 21.6,2.28, height 7.47
SOCKET_1x10_SMD [mm] "Socket, 2.54mm, SMD"
  rect 1.02x2.19 smd: 1(0,1.465) 1(0,-1.465) 2(2.54,-1.465) 2(2.54,1.465) 3(5.08,-1.465) 3(5.08,1.465) 4(7.62,-1.465) 4(7.62,1.465) 5(10.16,-1.465) 5(10.16,1.465) 6(12.7,-1.465) 6(12.7,1.465) 7(15.24,-1.465) 7(15.24,1.465) 8(17.78,-1.465) 8(17.78,1.465) 9(20.32,-1.465) 9(20.32,1.465) 10(22.86,-1.465) 10(22.86,1.465)
  silkscreen extent -1.27,-1.27 24.13,1.27, body extent -1.27,-2.29 24.13,2.29, height 7.47
SOCKET_2x3_SMD-2.54mm-bottom [mm] "Socket, 2.54mm, SMD"
  rect 1.02x2.22 smd far side: 1(-2.54,-2.825) 2(-2.54,2.825) 3(0,-2.825) 4(0,2.825) 5(2.54,-2.825) 6(2.54,2.825)
SOD-523 [mm]
  rect 0.4x0.5 smd: 1(0.7,0) 3(-0.7,0)
  silkscreen extent -0.6,-0.4 0.6,0.4, body extent -0.8,-0.4 0.8,0.4, height 0.7
Solderbridge#1 [mm]
  round 0.2 smd paste-10: 1(0,0) 2(0.625,0)
  Top Layer region: 0.389,0.432 0.465,0.505 0.583,0.467 0.648,0.424 0.721,0.351 0.775,0.292 0.833,0.193 0.861,0.099 0.856,-0.122 0.831,-0.193 0.747,-0.33 0.663,-0.411 0.571,-0.469 0.47,-0.5 0.419,-0.483 0.389,-0.43
  Top Layer region: 0.236,-0.432 0.16,-0.505 0.042,-0.467 -0.023,-0.424 -0.097,-0.351 -0.15,-0.292 -0.208,-0.193 -0.236,-0.099 -0.231,0.122 -0.206,0.193 -0.122,0.33 -0.038,0.411 0.054,0.469 0.155,0.5 0.206,0.483 0.236,0.43
  Top Layer lines w0.152: 0.159,0.431 ccw(c0.27,0) 0.159,-0.431 ; 0.465,0.431 cw(c0.355,0) 0.465,-0.431
Solderbridge#2 [mm]
  round 0.2 smd paste-10: 1(0,0) 2(0.625,0)
  Top Layer region: 0.389,0.432 0.465,0.505 0.583,0.467 0.648,0.424 0.721,0.351 0.775,0.292 0.833,0.193 0.861,0.099 0.856,-0.122 0.831,-0.193 0.747,-0.33 0.663,-0.411 0.571,-0.469 0.47,-0.5 0.419,-0.483 0.389,-0.43
  Top Layer region: 0.236,-0.432 0.16,-0.505 0.042,-0.467 -0.023,-0.424 -0.097,-0.351 -0.15,-0.292 -0.208,-0.193 -0.236,-0.099 -0.231,0.122 -0.206,0.193 -0.122,0.33 -0.038,0.411 0.054,0.469 0.155,0.5 0.206,0.483 0.236,0.43
  Top Layer lines w0.152: 0.465,-0.431 ccw(c0.355,0) 0.774,0.149 ccw(c0.355,0) 0.465,0.431 ; 0.159,-0.431 cw(c0.27,0) -0.175,0 cw(c0.27,0) 0.025,0.371 cw(c0.27,0) 0.159,0.431
Solderbridge_Shorted [mm]
  round 0.2 smd paste-10: 1(0,0) 2(0.676,0)
  Top Layer region: 0.44,0.432 0.516,0.505 0.634,0.467 0.699,0.424 0.772,0.351 0.826,0.292 0.884,0.193 0.912,0.099 0.907,-0.122 0.881,-0.193 0.798,-0.33 0.714,-0.411 0.622,-0.469 0.521,-0.5 0.47,-0.483 0.44,-0.43
  Top Layer region: 0.236,-0.432 0.16,-0.505 0.042,-0.467 -0.023,-0.424 -0.097,-0.351 -0.15,-0.292 -0.208,-0.193 -0.236,-0.099 -0.231,0.122 -0.206,0.193 -0.122,0.33 -0.038,0.411 0.054,0.469 0.155,0.5 0.206,0.483 0.236,0.43
  Top Layer lines w0.152: 0.159,0.431 ccw(c0.27,0) 0.159,-0.431 ; 0.516,0.431 cw(c0.406,0) 0.516,-0.431
  Top Layer lines w0.203: 0,0 0.676,0
SOT65P210X100-6N [mm] "SOT23, 6-Leads, Body 2,2x2,4mm (max), Pitch 0,65mm, IPC Medium Density"
  rect 0.9x0.35 smd: 1(-0.95,0.65) 2(-0.95,0) 3(-0.95,-0.65) 4(0.95,-0.65) 5(0.95,0) 6(0.95,0.65)
  silkscreen extent -1.08,-1.1 0.1,1.5, body extent -1.05,-1 1.05,1, height 0.92
SOT190P230X110-4L [mm] "SOT143, 4-Leads, Body 3.0x2.5mm (max), Pitch 1.90mm, IPC High Density"
  rect 0.85x1 smd: 1(-1.025,0.75)
  rect 0.85x0.6 smd: 2(-1.025,-0.95) 3(1.025,-0.95) 4(1.025,0.95)
  silkscreen extent -1.15,-1.5 0.7,1.93, body extent -1.21,-1.46 1.21,1.46, height 1
SOT-23A [mil] "SOT-23 footprint"
  rect 30x40 smd: 1(0,0) 2(74.8,0) 3(37.4,82.68)
  silkscreen extent -39,-4 94,79, body extent -20,-5 95,87, height 39
SOT-363 [mm] "SOT-363 (SC88)"
  rect 0.3x0.7 smd: 1(0,0) 2(0.65,0) 3(1.3,0) 4(1.3,1.6) 5(0.65,1.6) 6(0,1.6)
  silkscreen extent -0.82,-0.27 1.65,1.4, body extent -0.35,-0.25 1.65,1.85, height 0.93
TC2050-IDC-NLFP [mil]
  round 39 hole 39 unplated: 0(-150,0) 0(150,-40) 0(150,40)
  round 31 smd paste-196.85: 1(-100,-25) 2(-50,-25) 3(0,-25) 4(50,-25) 5(100,-25) 6(100,25) 7(50,25) 8(0,25) 9(-50,25) 10(-100,25)
  Top Layer pour cut-out: -100,25 -100,-25 100,-25 100,25
TESTPAD-TH [mm]
  round 1.5 hole 1: 1(0,0)
  silkscreen extent -1,-1 1,1
TP_SMD_Ø1.0mm [mm]
  round 1 smd paste-5: 1(0,0)
  silkscreen extent -0.7,-0.7 0.7,0.7
TSQFP50P1600X1600X160-100N [mm] "TSQFP, 100-Leads, Body 16,0x16,0mm (max), Pitch 0,50mm, IPC Medium Density"
  oval 1.65x0.3 smd: 1(-7.575,6) 2(-7.575,5.5) 3(-7.575,5) 4(-7.575,4.5) 5(-7.575,4) 6(-7.575,3.5) 7(-7.575,3) 8(-7.575,2.5) 9(-7.575,2) 10(-7.575,1.5) 11(-7.575,1) 12(-7.575,0.5) 13(-7.575,0) 14(-7.575,-0.5) 15(-7.575,-1) 16(-7.575,-1.5) 17(-7.575,-2) 18(-7.575,-2.5) 19(-7.575,-3) 20(-7.575,-3.5) 21(-7.575,-4) 22(-7.575,-4.5) 23(-7.575,-5) 24(-7.575,-5.5) 25(-7.575,-6) 51(7.575,-6) 52(7.575,-5.5) 53(7.575,-5) 54(7.575,-4.5) 55(7.575,-4) 56(7.575,-3.5) 57(7.575,-3) 58(7.575,-2.5) 59(7.575,-2) 60(7.575,-1.5) 61(7.575,-1) 62(7.575,-0.5) 63(7.575,0) 64(7.575,0.5) 65(7.575,1) 66(7.575,1.5) 67(7.575,2) 68(7.575,2.5) 69(7.575,3) 70(7.575,3.5) 71(7.575,4) 72(7.575,4.5) 73(7.575,5) 74(7.575,5.5) 75(7.575,6)
  oval 0.3x1.65 smd: 26(-6,-7.575) 27(-5.5,-7.575) 28(-5,-7.575) 29(-4.5,-7.575) 30(-4,-7.575) 31(-3.5,-7.575) 32(-3,-7.575) 33(-2.5,-7.575) 34(-2,-7.575) 35(-1.5,-7.575) 36(-1,-7.575) 37(-0.5,-7.575) 38(0,-7.575) 39(0.5,-7.575) 40(1,-7.575) 41(1.5,-7.575) 42(2,-7.575) 43(2.5,-7.575) 44(3,-7.575) 45(3.5,-7.575) 46(4,-7.575) 47(4.5,-7.575) 48(5,-7.575) 49(5.5,-7.575) 50(6,-7.575) 76(6,7.575) 77(5.5,7.575) 78(5,7.575) 79(4.5,7.575) 80(4,7.575) 81(3.5,7.575) 82(3,7.575) 83(2.5,7.575) 84(2,7.575) 85(1.5,7.575) 86(1,7.575) 87(0.5,7.575) 88(0,7.575) 89(-0.5,7.575) 90(-1,7.575) 91(-1.5,7.575) 92(-2,7.575) 93(-2.5,7.575) 94(-3,7.575) 95(-3.5,7.575) 96(-4,7.575) 97(-4.5,7.575) 98(-5,7.575) 99(-5.5,7.575) 100(-6,7.575)
  silkscreen extent -7.7,-6.35 6.35,6.82, body extent -8,-8 8,8, height 1.6
XQFN40P180X260X50-16N [mm] "QFN, 16-Leads, Body 1.80x2.60mm, Pitch 0.40mm, IPC Medium Density"
  oval 0.65x0.22 smd paste-0.02 mask+0.062: 1(-0.825,0.6) 2(-0.825,0.2) 3(-0.825,-0.2) 4(-0.825,-0.6) 9(0.825,-0.6) 10(0.825,-0.2) 11(0.825,0.2) 12(0.825,0.6)
  oval 0.22x0.65 smd paste-0.02 mask+0.062: 5(-0.6,-1.225) 6(-0.2,-1.225) 7(0.2,-1.225) 8(0.6,-1.225) 13(0.6,1.225) 14(0.2,1.225) 15(-0.2,1.225) 16(-0.6,1.225)
  silkscreen extent -1.45,-1.4 1,1.4, body extent -0.91,-1.31 0.91,1.31, height 0.55
XTAL_3215 [mm] "XTAL SMD 3.2 x 1.5 mm"
  rect 1x1.8 smd: 1(-1.25,0) 2(1.25,0)
  silkscreen extent -0.6,-0.75 0.6,0.75, body extent -1.6,-0.75 1.6,0.75, height 0.81

## Part data
Bat1: library part "Bat Holder CR2032 SMD", "Bat Holder CR2032 SMD"
C1 C2 C11 C12: library part C0402-12p, "Capacitor, NP0, ±2%"
C3: library part C0402-0.8p, "Capacitor, NP0, ±5%"
C4 C5 C8 C18 C19 C21 C24 C25 C26 C27 C28 C29 C32 C34 C35 C36 C38 C39 C40 C41 C44 C45 C46 C47: library part C0402-100n, "Capacitor, X7R, ±10%"
C6 C13: library part C0402-N.C., "Not mounted"
C7: library part C0402-100p, "Capacitor, NP0, ±5%"
C9: library part C0603-4µ7, "Capacitor, X5R, ±10%"
C10 C16 C17: library part C0603-1µ0, "Capacitor, X7R, ±10%"
C15: library part C0402-1.2p, "Capacitor, NP0, ±0.1pF"
C20 C31 C33: library part C0603-10µ, "Capacitor, X5R, ±20%"
C22 C23: library part C0402-18p, "Capacitor, NP0, ±5%"
C30: library part C0402-10n, "Capacitor, X7R, ±10%"
C37: library part C0402-10p, "Capacitor, NP0, ±2%"
C42 C43: library part C0402-300p, "Capacitor, NP0, ±5%"
C48 C49 C50 C51: library part C0402-1µ0, "Capacitor, X5R, ±5%"
D1: "Surface Mount Schottky Barrier Diode Array"
D2: "Ultra low capacitance double rail-to-rail ESD protection diode"
D3 D4 D5 D6: "Diode Schottky Vf=0.38, Vr=40V, If=200mA, Ir=500nA"
Fid1 Fid2: library part Fid-Mark, "Fiducial Mark"
J1: "Coaxial Connector with Switch"
J2: library part "FCI 10118193-0001LF", "MicroUSB-B-SMT"
J3: library part TC2050-IDC-NLFP, "CBL PLUG-OF-NAILS 10-PIN"
L1: library part L0402-3n9, "Inductor, 170mA, ±0.1nH"
L2: library part L0603-10µ, "Inductor, 80mA, ±10%"
L3: library part L0402-15n, "Inductor, 320mA, ±5%"
LD5: "Ultra bright AlInGaP Bi-Color LED"
LED1 LED2 LED3 LED4: library part EL19-21SYGC, "LED 0603, EL19-21SYGC"
LOGO1: "Nordic Logo, medium size"
P1 P3: library part "Socket 1x8 SMD", "Socket 1x8, 2.54mm (100mil), SMD"
P2: library part "Socket 1x6 SMD", "Socket 1x6, 2.54mm (100mil), SMD"
P4: library part "Socket 1x10 SMD", "Socket 1x10, 2.54mm (100mil), SMD"
P5: library part "Pin Header 2x3 SMD", "Pin Header 2x3, 2.54mm (100mil) SMD"
P6: library part "Socket 1x9 SMD", "Socket 1x9, 2.54mm (100mil), SMD"
P7 P9 P20: library part "Pin List 1x8 SMD", "Pin List 1x8, 2.54mm (100mil), SMD"
P8: library part "Pin List 1x6 SMD", "Pin List 1x6, 2.54mm (100mil), SMD"
P10: library part "Pin List 1x10 SMD", "Pin List 1x10, 2.54mm (100mil), SMD"
P11: library part "Socket 2x3 SMD Bottom", "Socket 2x3, 2.54mm (100mil), SMD"
P12: library part "Pin List 1x9 SMD", "Pin List 1x9, 2.54mm (100mil), SMD"
P13 P15: "Pin Header 2x8, 2.54mm (100mil)"
P14: "Pin Header 2x6, 2.54mm (100mil)"
P16: "Pin Header 2x10, 2.54mm (100mil)"
P17: "Pin Header 2x9, 2.54mm (100mil)"
P18 P19: library part "Samtec FTSH-105 Keying Shroud", "SAMTEC - CONN HEADER 10POS DUAL .05\" SMD KEYING SHROUD"
P21 P22: library part "Pin List Ang 1x2 SMD, 2.54mm", "Pin List 1x2, 2.54mm (100mil), Right Angled, SMD"
P23: "CONN FFC FPC 5POS 0.50MM R/A"
Q1 Q2: library part FDG6321C_IPC, "Fairchild, FDG6321C, Dual N & P Channel Digital FET"
R1 R2 R3 R4 R19 R20: library part R0402-220, "Resistor, ±1%, 0.063W"
R5 R8 R9 R10 R11 R12: library part R0402-10k, "Resistor, ±1%, 0.063W"
R6 R27 R28 R37: library part R0402-N.C., "Not mounted"
R7: library part R0402-47k, "Resistor, ±1%, 0.063W"
R13 R14: library part R0402-39R, "Resistor, ±1%, 0.063W"
R15 R16: library part R0402-150, "Resistor, ±1%, 0.063W"
R17: library part R0402-6k8, "Resistor, ±1%, 0.063W"
R18: library part R0402-1k0, "Resistor, ±1%, 0.063W"
R21 R22 R23 R24 R29 R30: library part R0402-4k7, "Resistor, ±1%, 0.063W"
R25 R26 R38: library part R0402-0R, "Resistor, ±5%, 0.063W"
R31 R32: library part R0402-12k, "Resistor, ±1%, 0.063W"
R33 R34 R35 R36: library part R0402-100k, "Resistor, ±1%, 0.063W"
R39: library part R0402-1M0, "Resistor, ±1%, 0.063W"
R40 R41 R42 R43: library part R0402-18k, "Resistor, ±1%, 0.063W"
SB1 SB2 SB5 SB6 SB7 SB8 SB9 SB13 SB14 SB15 SB16 SB19 SB20 SB21 SB22 SB23 SB24 SB25: library part "Solderbridge Shorted", "Shorted Solderbridge"
SW1 SW2 SW3: library part ALPS_SKHUALE010, "ALPS - SKHUALE010 - TACTILE SWITCH, SPNO, SMD, 6.5x6.2x2.5mm"
SW4 SW5: library part ALPS_SKHUALE010, "ALPS - SKHUALE010 - Tactile Switch, SPNO, SMD, 6.5x6.2x2.5mm"
SW6: library part JS202011SCQN, "SMD slide Switch (ON-ON)"
TP1 TP2 TP3 TP4 TP5 TP6 TP7 TP8 TP9 TP10 TP11 TP14 TP15: library part TP_SMD_Ø1.0MM, "1.0mm circular SMD testpad"
TP12 TP13: library part "Testpoint TH", "Testpoint, through hole"
U1: "Multi-protocol Bluetooth Low Energy and 2.4GHz proprietary system-on-chip"
U2: "IC MCU 32bit 128kB flash 100LQFP"
U3: "300mA, Low Quiescent Current, Fast Transient Low Dropout Linear Regulator"
U4 U5 U6: library part NX3DV2567GU, "Low-ohmic four-pole double-throw analog switch"
U7: library part PCAL6408AHK, "8-bit I2C-bus I/O expander with interrupt output"
X1: library part XTAL_SMD2016_32MHz_8pF_Epson, "XTAL SMD 2016, 32MHz, Cl=8pF, Tol: ±10ppm, Stab: ±10ppm"
X2: library part "XTAL_FC-135 32.768k", "EPSON TOYOCOM - FC-135 32.768KHZ ±20PPM,9.0PF - CRYSTAL, SM, WATCH"
X3: library part "XTAL SMD 12MHz (3225)", "XTAL SMD 3225, 12MHz, 18pF, ±30ppm"

## Free pads (board coordinates)
  round 126 hole 126: 1(550,299.6) 1(600,2199.6) 1(2600,499.6) 1(2600,1599.6) 1(3800,299.6)

## Via types
v1: diameter 24, hole 12, Top Layer to Bottom Layer, tented both sides, 568 vias
v2: diameter 24, hole 12, Top Layer to Bottom Layer, 21 vias
v3: diameter 25.98, hole 12.99, Top Layer to Bottom Layer, tented both sides, 16 vias

## Nets (pads, with @x,y where several pads share a name; then routed paths per layer and width w, separated by ;. In a path a pad name is that pad's centre, name@x,y a point inside that pad or via, vN(x,y) a via of type N, cw(c..) or ccw(c..) an arc to the next point about the centre after c; other vN are vias at no path point)
ANT: C15.1 J1.3 | length 895.1
  Top Layer w50: 3715.88,1248.16 3900.48,1248.16 3961.88,1186.77 3961.88,563.09
BOOT: R5.1 SW5.1 U2.24 | length 1169.7
  Top Layer w6: SW5.1@721.13,396.34 986.88,396.34 1023.14,432.6 1449.6,432.6 v1(1533,516) ; U2.24@1489.15,801.37 1489.15,772.46 1525,736.6 R5.1@1533.32,736.6 ; v1(1533,708) R5.1@1533,736.29
  Bottom Layer w6: v1(1533,516) v1(1533,708)
BUTTON1: SW1.1 U4.16 | length 460.8
  Top Layer w6: SW1.1@2909.13,666.82 3174.88,666.82 3194.7,647 3242.67,647 3308.12,581.55 U4.16@3308.12,555.08
BUTTON1_EXT: C48.1 D3.3 R40.1 U7.2 | length 533
  Top Layer w6: C48.1@2104.91,1590.78 2104.91,1624.78 R40.1@2105.68,1624.78 ; D3.3@2113.78,1661.78 2105.68,1653.67 R40.1@2105.68,1624.78 ; U7.2@2162.42,1832.13 2179.74,1832.13 2190.24,1821.63 2278.99,1821.63 2297.62,1802.99 2297.62,1726.54 2251.86,1680.78 2161.68,1680.78 R40.1@2105.68,1624.78
BUTTON2: SW2.1 U4.4 | length 484.8
  Top Layer w6: v1(3222.67,591) 3236.05,577.62 U4.4@3236.05,564.48 ; v1(3279.13,667.26) 3614.53,667.26 SW2.1@3614.87,666.92
  Bottom Layer w6: v1(3222.67,591) 3252,591 3279.13,618.13 v1(3279.13,667.26)
BUTTON2_EXT: C49.2 D4.3 R41.1 U7.3 | length 706.9
  Top Layer w6: C49.2@2104.77,1481.78 R41.1@2104.77,1515.78 ; D4.3@2113.87,1552.78 2104.77,1543.67 R41.1@2104.77,1515.78 ; U7.3@2162.42,1847.88 2174.49,1847.88 2190.24,1863.63 2279.77,1863.63 2321.62,1821.78 2321.62,1716.6 2261.8,1656.78 2172.45,1656.78 2143.31,1627.63 2143.31,1552.78 2106.31,1515.78 R41.1@2104.77,1515.78
BUTTON3: SW3.1 U4.8 | length 419.2
  Top Layer w6: SW3.1@2909.02,377.19 SW3.1@3174.77,377.19 ; v1(3177.67,494) 3192.05,508.38 U4.8@3211.44,508.38 ; SW3.1@3178.02,380.45 v1(3178.02,419.63)
  Bottom Layer w6: v1(3177.67,494) 3177.67,419.99 v1(3178.02,419.63)